# Altium PCB CM5_Adapter.PcbDoc (part 2 of 2)
Units mil, origin at the board's own origin, x right, y up, seen from the top; angles counter-clockwise.
Board outline 2540 x 1690 mil, 4 copper layers (Top Layer, Sig1, Sig2, Bottom Layer), stack 50.112 mil thick; 14 components, 249 nets, 1067 pads, 203 vias.
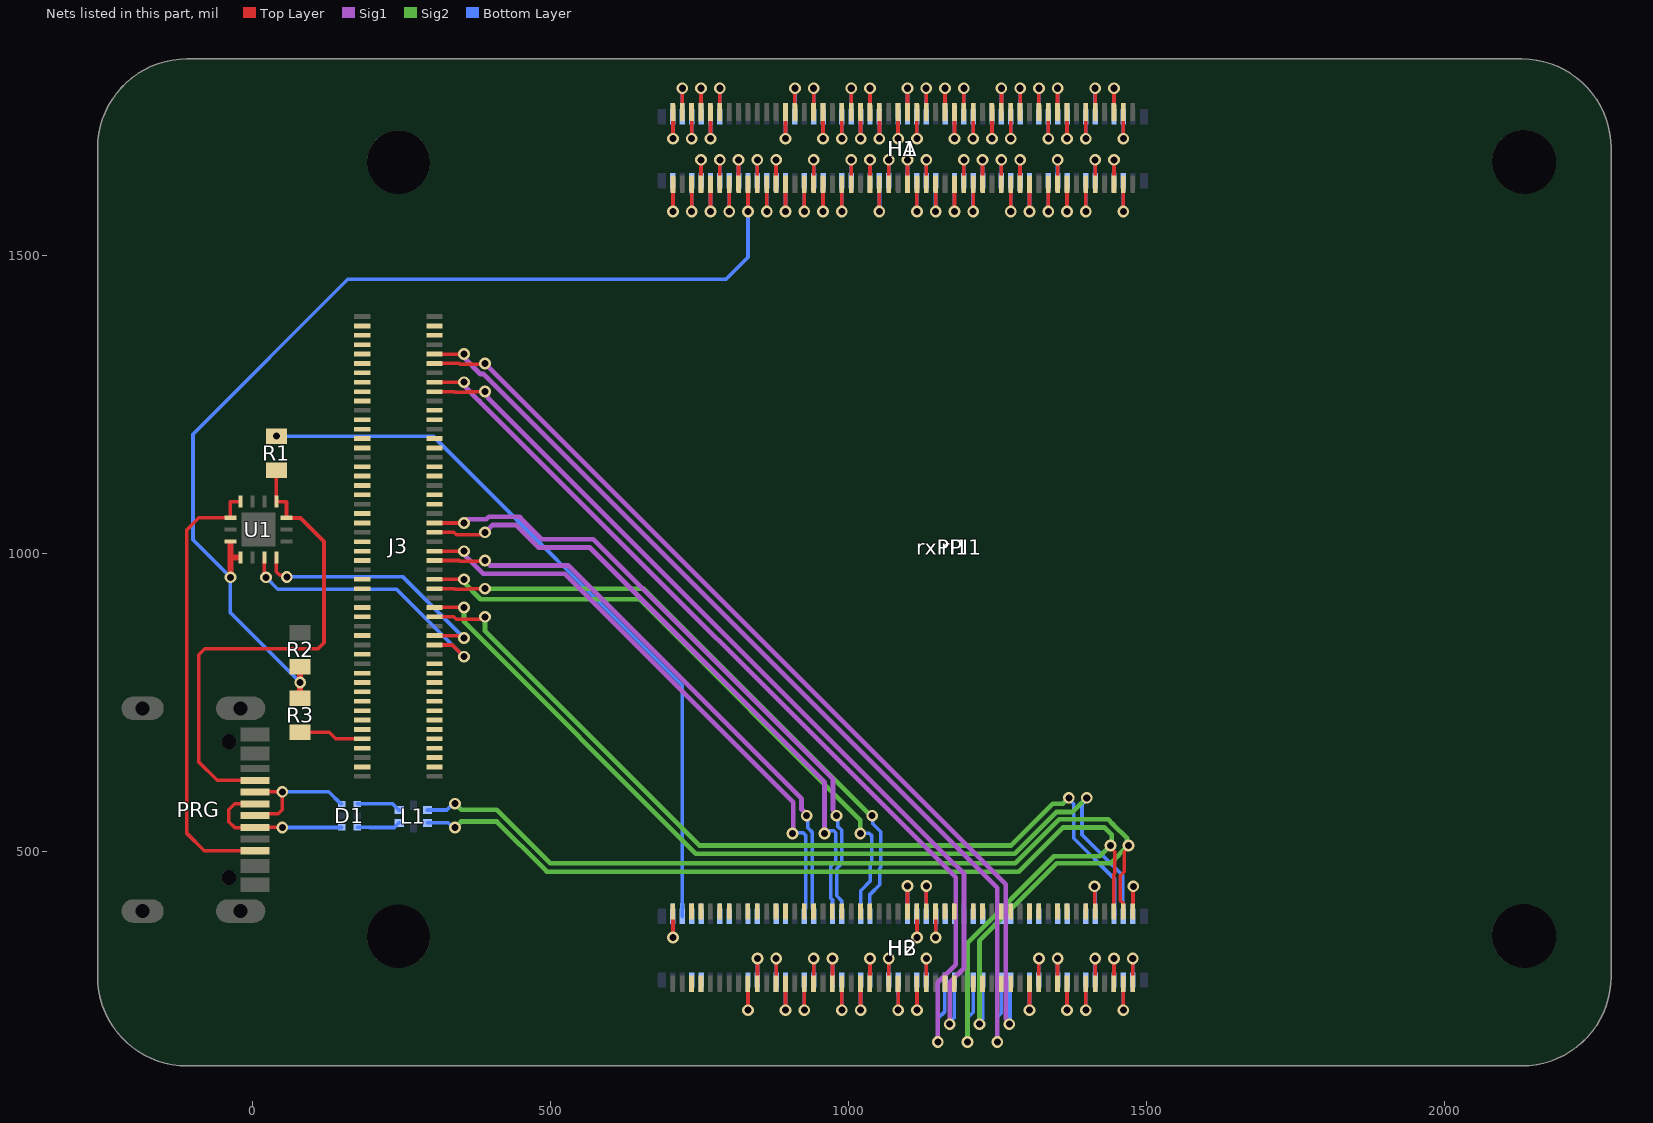
[diagram p4: the nets of this part, all layers, seen from the top]

## Via types
v1: diameter 19.68, hole 11.81, Top Layer to Bottom Layer, 203 vias

## Nets (pads, with @x,y where several pads share a name; then routed paths per layer and width w, separated by ;. In a path a pad name is that pad's centre, name@x,y a point inside that pad or via, vN(x,y) a via of type N, cw(c..) or ccw(c..) an arc to the next point about the centre after c; other vN are vias at no path point) (continued)
HDMI0_SDA: H2.99 HB.100 rPI1.199 rxPI1.199 | length 79
  Top Layer w6.3: H2.99@705.36,399.09 705.46,399 705.46,355.61 v1(705.55,355.51)
  Bottom Layer w6.3: v1(705.55,355.51) HB.100@705.55,390.88
HDMI0_TX0_N: H2.84 HB.83 rPI1.184 rxPI1.184 | length 95.2
  Top Layer w6.3: H2.84@831.35,277.83 831.44,277.74 831.44,233.56 v1(831.54,233.46)
  Bottom Layer w6.3: v1(831.54,233.46) HB.83@831.54,284.18
HDMI0_TX0_P: H2.82 HB.81 rPI1.182 rxPI1.182 | length 85.5
  Top Layer w6.3: H2.82@847.28,276.9 v1(847.28,320.08)
  Bottom Layer w6.3: rPI1.182@847.1,277.83 847.1,294.76 847.28,294.95 v1(847.28,320.08)
HDMI0_TX1_N: H2.78 HB.77 rPI1.178 rxPI1.178 | length 85.5
  Top Layer w6.3: H2.78@878.78,276.9 v1(878.78,320.08)
  Bottom Layer w6.3: rPI1.178@878.59,277.83 878.59,294.76 878.78,294.95 v1(878.78,320.08)
HDMI0_TX1_P: H2.76 HB.75 rPI1.176 rxPI1.176 | length 87.9
  Top Layer w6.3: v1(894.53,233.46) H2.76@894.53,276.9
  Bottom Layer w6.3: rPI1.176@894.34,277.83 894.34,260.9 894.53,260.72 v1(894.53,233.46)
HDMI0_TX2_N: H2.72 HB.71 rPI1.172 rxPI1.172 | length 87.9
  Top Layer w6.3: v1(926.02,233.46) H2.72@926.02,276.9
  Bottom Layer w6.3: rPI1.172@925.84,277.83 925.84,260.9 926.02,260.72 v1(926.02,233.46)
HDMI0_TX2_P: H2.70 HB.69 rPI1.170 rxPI1.170 | length 85.5
  Top Layer w6.3: H2.70@941.77,276.9 v1(941.77,320.08)
  Bottom Layer w6.3: rPI1.170@941.58,277.83 941.58,294.76 941.77,294.95 v1(941.77,320.08)
HDMI1_CEC: H2.49 HB.50 rPI1.149 rxPI1.149 | length 94.4
  Top Layer w6.3: H2.49@1099.06,399.09 1099.16,399.19 1099.16,442.03 v1(1099.25,442.13)
  Bottom Layer w6.3: HB.50@1099.25,390.88 v1(1099.25,442.13)
HDMI1_CLK_N: H2.66 HB.65 rPI1.166 rxPI1.166 | length 85.5
  Top Layer w6.3: H2.66@973.27,276.9 v1(973.27,320.08)
  Bottom Layer w6.3: rPI1.166@973.08,277.83 973.08,294.76 973.27,294.95 v1(973.27,320.08)
HDMI1_CLK_P: H2.64 HB.63 rPI1.164 rxPI1.164 | length 87.9
  Top Layer w6.3: v1(989.02,233.46) H2.64@989.02,276.9
  Bottom Layer w6.3: rPI1.164@988.83,277.83 988.83,260.9 989.02,260.72 v1(989.02,233.46)
HDMI1_HOTPLUG: H2.43 HB.44 rPI1.143 rxPI1.143 | length 79
  Top Layer w6.3: H2.43@1146.31,399.09 1146.4,399 1146.4,355.61 v1(1146.5,355.51)
  Bottom Layer w6.3: v1(1146.5,355.51) HB.44@1146.5,390.88
HDMI1_SCL: H2.47 HB.48 rPI1.147 rxPI1.147 | length 78
  Top Layer w6.3: v1(1115,355.51) H2.47@1115,398.16
  Bottom Layer w6.3: v1(1115,355.51) HB.48@1115,390.88
HDMI1_SDA: H2.45 HB.46 rPI1.145 rxPI1.145 | length 95.2
  Top Layer w6.3: H2.45@1130.75,398.16 v1(1130.75,442.13)
  Bottom Layer w6.3: HB.46@1130.75,390.88 v1(1130.75,442.13)
HDMI1_TX0_N: H2.60 HB.59 rPI1.160 rxPI1.160 | length 88.9
  Top Layer w6.3: H2.60@1020.32,277.83 1020.42,277.74 1020.42,233.56 v1(1020.51,233.46)
  Bottom Layer w6.3: rPI1.160@1020.32,277.83 1020.32,260.9 1020.51,260.72 v1(1020.51,233.46)
HDMI1_TX0_P: H2.58 HB.57 rPI1.158 rxPI1.158 | length 85.5
  Top Layer w6.3: H2.58@1036.26,276.9 v1(1036.26,320.08)
  Bottom Layer w6.3: rPI1.158@1036.07,277.83 1036.07,294.76 1036.26,294.95 v1(1036.26,320.08)
HDMI1_TX1_N: H2.54 HB.53 rPI1.154 rxPI1.154 | length 85.5
  Top Layer w6.3: H2.54@1067.76,276.9 v1(1067.76,320.08)
  Bottom Layer w6.3: rPI1.154@1067.57,277.83 1067.57,294.76 1067.76,294.95 v1(1067.76,320.08)
HDMI1_TX1_P: H2.52 HB.51 rPI1.152 rxPI1.152 | length 87.9
  Top Layer w6.3: v1(1083.5,233.46) H2.52@1083.5,276.9
  Bottom Layer w6.3: rPI1.152@1083.32,277.83 1083.32,260.9 1083.5,260.72 v1(1083.5,233.46)
HDMI1_TX2_N: H2.48 HB.47 rPI1.148 rxPI1.148 | length 94.2
  Top Layer w6.3: v1(1115,233.46) H2.48@1115,276.9
  Bottom Layer w6.3: v1(1115,233.46) HB.47@1115,284.18
HDMI1_TX2_P: H2.46 HB.45 rPI1.146 rxPI1.146 | length 79.1
  Top Layer w6.3: H2.46@1130.75,276.9 v1(1130.75,320.08)
  Bottom Layer w6.3: HB.45@1130.75,284.18 v1(1130.75,320.08)
I2C_SCL: J3.72 rxPI1.271 U1.6 | length 481
  Top Layer w6: U1.6@20,993 20,960 v1(22.5,960) ; J3.72@305.39,846.43 335.31,846.43 v1(355,826.74)
  Bottom Layer w6: v1(22.5,960) 42.5,940 241.74,940 v1(355,826.74)
I2C_SDA: J3.70 rxPI1.269 U1.7 | length 435.8
  Top Layer w6: U1.7@40,993 40,969.46 46.24,963.22 54.88,963.22 v1(57.5,960.6) ; J3.70@305.39,862.18 347.36,862.18 351.3,858.24 v1(355,858.24)
  Bottom Layer w6: v1(57.5,960.6) 252.64,960.6 v1(355,858.24)
NetD1_1: D1.1 L1.4 | length 74.7
  Bottom Layer w6: D1.1@176.05,579.68 197.76,579.68 197.92,579.84 235.08,579.84 245.39,569.53 L1.4@246.38,569.53
NetD1_3: D1.3 L1.3 | length 73.6
  Bottom Layer w6: D1.3@176.05,540.32 196.82,540.32 196.98,540.16 237.68,540.16 245.39,547.87 L1.3@246.38,547.87
NetH1_3: H1.3 HA.4 rPI1.3 rxPI1.3 | length 89.9
  Top Layer w6.3: v1(1461.46,1696.06) H1.3@1461.46,1739.81
  Bottom Layer w6.3: rPI1.3@1461.27,1742.17 1461.27,1696.25 v1(1461.46,1696.06)
NetH1_4: H1.4 HA.3 rPI1.4 rxPI1.4 | length 93.9
  Top Layer w6.3: rxPI1.4@1461.27,1620.91 1461.36,1620.81 1461.36,1574.11 v1(1461.46,1574.02)
  Bottom Layer w6.3: rPI1.4@1461.27,1620.91 1461.27,1574.2 v1(1461.46,1574.02)
NetH1_5: H1.5 HA.6 rPI1.5 rxPI1.5 | length 77.2
  Top Layer w6.3: rxPI1.5@1445.52,1742.17 1445.62,1742.26 1445.62,1780.62 v1(1445.71,1780.71)
  Bottom Layer w6.3: rPI1.5@1445.52,1742.17 1445.52,1780.52 v1(1445.71,1780.71)
NetH1_6: H1.6 HA.5 rPI1.6 rxPI1.6 | length 76.9
  Top Layer w6.3: H1.6@1445.71,1618.55 v1(1445.71,1660.63)
  Bottom Layer w6.3: HA.5@1445.71,1625.84 v1(1445.71,1660.63)
NetH1_9: H1.9 HA.10 rPI1.9 rxPI1.9 | length 77.2
  Top Layer w6.3: rxPI1.9@1414.03,1742.17 1414.12,1742.26 1414.12,1780.62 v1(1414.21,1780.71)
  Bottom Layer w6.3: rPI1.9@1414.03,1742.17 1414.03,1780.52 v1(1414.21,1780.71)
NetH1_10: H1.10 HA.9 rPI1.10 rxPI1.10 | length 76.9
  Top Layer w6.3: H1.10@1414.21,1618.55 v1(1414.21,1660.63)
  Bottom Layer w6.3: HA.9@1414.21,1625.84 v1(1414.21,1660.63)
NetH1_11: H1.11 HA.12 rPI1.11 rxPI1.11 | length 92.4
  Top Layer w6.3: rxPI1.11@1398.28,1742.17 1398.37,1742.07 1398.37,1696.16 v1(1398.46,1696.06)
  Bottom Layer w6.3: rPI1.11@1398.28,1742.17 1398.28,1696.25 v1(1398.46,1696.06)
NetH1_12: H1.12 HA.11 rPI1.12 rxPI1.12 | length 96.4
  Top Layer w6.3: v1(1398.46,1574.02) H1.12@1398.46,1618.55
  Bottom Layer w6.3: v1(1398.46,1574.02) HA.11@1398.46,1625.84
NetH1_15: H1.15 HA.16 rPI1.15 rxPI1.15 | length 80.2
  Top Layer w6.3: v1(1366.97,1696.06) H1.15@1366.97,1739.81
  Bottom Layer w6.3: v1(1366.97,1696.06) HA.16@1366.97,1732.53
NetH1_16: H1.16 HA.15 rPI1.16 rxPI1.16 | length 93.9
  Top Layer w6.3: rxPI1.16@1366.78,1620.91 1366.88,1620.81 1366.88,1574.11 v1(1366.97,1574.02)
  Bottom Layer w6.3: rPI1.16@1366.78,1620.91 1366.78,1574.2 v1(1366.97,1574.02)
NetH1_17: H1.17 HA.18 rPI1.17 rxPI1.17 | length 86.8
  Top Layer w6.3: rxPI1.17@1351.03,1742.17 1351.13,1742.26 1351.13,1780.62 v1(1351.22,1780.71)
  Bottom Layer w6.3: HA.18@1351.22,1732.53 v1(1351.22,1780.71)
NetH1_18: H1.18 HA.17 rPI1.18 rxPI1.18 | length 81.9
  Top Layer w6.3: H1.18@1351.22,1618.55 v1(1351.22,1660.63)
  Bottom Layer w6.3: rPI1.18@1351.03,1620.91 1351.03,1660.44 v1(1351.22,1660.63)
NetH1_19: H1.19 HA.20 rPI1.19 rxPI1.19 | length 89.9
  Top Layer w6.3: v1(1335.47,1696.06) H1.19@1335.47,1739.81
  Bottom Layer w6.3: rPI1.19@1335.29,1742.17 1335.29,1696.25 v1(1335.47,1696.06)
NetH1_20: H1.20 HA.19 rPI1.20 rxPI1.20 | length 91.5
  Top Layer w6.3: v1(1335.47,1574.02) H1.20@1335.47,1618.55
  Bottom Layer w6.3: rPI1.20@1335.29,1620.91 1335.29,1574.2 v1(1335.47,1574.02)
NetH1_21: H1.21 HA.22 rPI1.21 rxPI1.21 | length 77.2
  Top Layer w6.3: rxPI1.21@1319.54,1742.17 1319.63,1742.26 1319.63,1780.62 v1(1319.72,1780.71)
  Bottom Layer w6.3: rPI1.21@1319.54,1742.17 1319.54,1780.52 v1(1319.72,1780.71)
NetH1_24: H1.24 HA.23 rPI1.24 rxPI1.24 | length 91.5
  Top Layer w6.3: v1(1303.98,1574.02) H1.24@1303.98,1618.55
  Bottom Layer w6.3: rPI1.24@1303.79,1620.91 1303.79,1574.2 v1(1303.98,1574.02)
NetH1_25: H1.25 HA.26 rPI1.25 rxPI1.25 | length 76.7
  Top Layer w6.3: H1.25@1288.23,1742.35 v1(1288.23,1780.71)
  Bottom Layer w6.3: rPI1.25@1288.04,1742.17 1288.04,1759.1 ; 1288.23,1759.28 v1(1288.23,1780.71)
NetH1_26: H1.26 HA.25 rPI1.26 rxPI1.26 | length 79.6
  Top Layer w6.3: rxPI1.26@1288.04,1620.91 1288.13,1621 1288.13,1660.54 v1(1288.23,1660.63)
  Bottom Layer w6.3: rPI1.26@1288.04,1620.91 1288.04,1660.44 v1(1288.23,1660.63)
NetH1_27: H1.27 HA.28 rPI1.27 rxPI1.27 | length 92.4
  Top Layer w6.3: rxPI1.27@1272.29,1742.17 1272.39,1742.07 1272.39,1696.16 v1(1272.48,1696.06)
  Bottom Layer w6.3: rPI1.27@1272.29,1742.17 1272.29,1696.25 v1(1272.48,1696.06)
NetH1_28: H1.28 HA.27 rPI1.28 rxPI1.28 | length 91.5
  Top Layer w6.3: v1(1272.48,1574.02) H1.28@1272.48,1618.55
  Bottom Layer w6.3: rPI1.28@1272.29,1620.91 1272.29,1574.2 v1(1272.48,1574.02)
NetH1_29: H1.29 HA.30 rPI1.29 rxPI1.29 | length 76.7
  Top Layer w6.3: H1.29@1256.73,1742.35 v1(1256.73,1780.71)
  Bottom Layer w6.3: rPI1.29@1256.54,1742.17 1256.55,1759.1 ; 1256.73,1759.28 v1(1256.73,1780.71)
NetH1_30: H1.30 HA.29 rPI1.30 rxPI1.30 | length 79.6
  Top Layer w6.3: rxPI1.30@1256.55,1620.91 1256.64,1621 1256.64,1660.54 v1(1256.73,1660.63)
  Bottom Layer w6.3: rPI1.30@1256.54,1620.91 1256.55,1660.44 v1(1256.73,1660.63)
NetH1_31: H1.31 HA.32 rPI1.31 rxPI1.31 | length 92.4
  Top Layer w6.3: rxPI1.31@1240.8,1742.17 1240.89,1742.07 1240.89,1696.16 v1(1240.98,1696.06)
  Bottom Layer w6.3: rPI1.31@1240.8,1742.17 1240.8,1696.25 v1(1240.98,1696.06)
NetH1_34: H1.34 HA.33 rPI1.34 rxPI1.34 | length 81.9
  Top Layer w6.3: H1.34@1225.24,1618.55 v1(1225.24,1660.63)
  Bottom Layer w6.3: rPI1.34@1225.05,1620.91 1225.05,1660.44 v1(1225.24,1660.63)
NetH1_35: H1.35 HA.36 rPI1.35 rxPI1.35 | length 82.6
  Top Layer w6.3: rxPI1.35@1209.3,1742.17 1209.39,1742.07 1209.39,1696.16 v1(1209.49,1696.06)
  Bottom Layer w6.3: v1(1209.49,1696.06) HA.36@1209.49,1732.53
NetH1_36: H1.36 HA.35 rPI1.36 rxPI1.36 | length 93.9
  Top Layer w6.3: rxPI1.36@1209.3,1620.91 1209.39,1620.81 1209.39,1574.11 v1(1209.49,1574.02)
  Bottom Layer w6.3: rPI1.36@1209.3,1620.91 1209.3,1574.2 v1(1209.49,1574.02)
NetH1_37: H1.37 HA.38 rPI1.37 rxPI1.37 | length 86.8
  Top Layer w6.3: rxPI1.37@1193.55,1742.17 1193.65,1742.26 1193.65,1780.62 v1(1193.74,1780.71)
  Bottom Layer w6.3: HA.38@1193.74,1732.53 v1(1193.74,1780.71)
NetH1_38: H1.38 HA.37 rPI1.38 rxPI1.38 | length 79.6
  Top Layer w6.3: rxPI1.38@1193.55,1620.91 1193.65,1621 1193.65,1660.54 v1(1193.74,1660.63)
  Bottom Layer w6.3: rPI1.38@1193.55,1620.91 1193.55,1660.44 v1(1193.74,1660.63)
NetH1_39: H1.39 HA.40 rPI1.39 rxPI1.39 | length 92.4
  Top Layer w6.3: rxPI1.39@1177.81,1742.17 1177.9,1742.07 1177.9,1696.16 v1(1177.99,1696.06)
  Bottom Layer w6.3: rPI1.39@1177.8,1742.17 1177.81,1696.25 v1(1177.99,1696.06)
NetH1_40: H1.40 HA.39 rPI1.40 rxPI1.40 | length 91.5
  Top Layer w6.3: v1(1177.99,1574.02) H1.40@1177.99,1618.55
  Bottom Layer w6.3: rPI1.40@1177.8,1620.91 1177.81,1574.2 v1(1177.99,1574.02)
NetH1_41: H1.41 HA.42 rPI1.41 rxPI1.41 | length 89.1
  Top Layer w6.3: H1.41@1162.24,1739.81 v1(1162.24,1780.71)
  Bottom Layer w6.3: HA.42@1162.24,1732.53 v1(1162.24,1780.71)
NetH1_44: H1.44 HA.43 rPI1.44 rxPI1.44 | length 93.9
  Top Layer w6.3: rxPI1.44@1146.31,1620.91 1146.4,1620.81 1146.4,1574.11 v1(1146.5,1574.02)
  Bottom Layer w6.3: rPI1.44@1146.31,1620.91 1146.31,1574.2 v1(1146.5,1574.02)
NetH1_45: H1.45 HA.46 rPI1.45 rxPI1.45 | length 76.7
  Top Layer w6.3: H1.45@1130.56,1742.35 v1(1130.56,1780.71)
  Bottom Layer w6.3: rPI1.45@1130.37,1742.17 1130.37,1759.1 ; 1130.56,1759.28 v1(1130.56,1780.71)
NetH1_46: H1.46 HA.45 rPI1.46 rxPI1.46 | length 81.9
  Top Layer w6.3: H1.46@1130.75,1618.55 v1(1130.75,1660.63)
  Bottom Layer w6.3: rPI1.46@1130.56,1620.91 1130.56,1660.44 v1(1130.75,1660.63)
NetH1_47: H1.47 HA.48 rPI1.47 rxPI1.47 | length 82.7
  Top Layer w6.3: rxPI1.47@1114.81,1742.17 1114.91,1742.07 1114.91,1696.16 v1(1115,1696.06)
  Bottom Layer w6.3: rPI1.47@1114.81,1732.53 1114.81,1696.25 v1(1115,1696.06)
NetH1_48: H1.48 HA.47 rPI1.48 rxPI1.48 | length 93.9
  Top Layer w6.3: rxPI1.48@1114.81,1620.91 1114.91,1620.81 1114.91,1574.11 v1(1115,1574.02)
  Bottom Layer w6.3: rPI1.48@1114.81,1620.91 1114.81,1574.2 v1(1115,1574.02)
NetH1_49: H1.49 HA.50 rPI1.49 rxPI1.49 | length 76.7
  Top Layer w6.3: H1.49@1099.25,1742.35 v1(1099.25,1780.71)
  Bottom Layer w6.3: rPI1.49@1099.06,1742.17 1099.06,1759.1 ; 1099.25,1759.28 v1(1099.25,1780.71)
NetH1_50: H1.50 HA.49 rPI1.50 rxPI1.50 | length 79.6
  Top Layer w6.3: rxPI1.50@1099.06,1620.91 1099.16,1621 1099.16,1660.54 v1(1099.25,1660.63)
  Bottom Layer w6.3: rPI1.50@1099.06,1620.91 1099.06,1637.84 1099.25,1638.02 v1(1099.25,1660.63)
NetH1_51: H1.51 HA.52 rPI1.51 rxPI1.51 | length 92.4
  Top Layer w6.3: rxPI1.51@1083.32,1742.17 1083.41,1742.07 1083.41,1696.16 v1(1083.5,1696.06)
  Bottom Layer w6.3: rPI1.51@1083.32,1742.17 1083.32,1725.24 1083.5,1725.05 v1(1083.5,1696.06)
NetH1_54: H1.54 HA.53 rPI1.54 rxPI1.54 | length 79.6
  Top Layer w6.3: rxPI1.54@1067.57,1620.91 1067.66,1621 1067.66,1660.54 v1(1067.76,1660.63)
  Bottom Layer w6.3: rPI1.54@1067.57,1620.91 1067.57,1637.84 1067.76,1638.02 v1(1067.76,1660.63)
NetH1_55: H1.55 HA.56 rPI1.55 rxPI1.55 | length 80.2
  Top Layer w6.3: v1(1052.01,1696.06) H1.55@1052.01,1739.81
  Bottom Layer w6.3: v1(1052.01,1696.06) HA.56@1052.01,1732.53
NetH1_56: H1.56 HA.55 rPI1.56 rxPI1.56 | length 93.9
  Top Layer w6.3: rxPI1.56@1051.82,1620.91 1051.91,1620.81 1051.91,1574.11 v1(1052.01,1574.02)
  Bottom Layer w6.3: rPI1.56@1051.82,1620.91 1051.82,1603.98 1052.01,1603.79 v1(1052.01,1574.02)
NetH1_57: H1.57 HA.58 rPI1.57 rxPI1.57 | length 89.1
  Top Layer w6.3: H1.57@1036.26,1739.81 v1(1036.26,1780.71)
  Bottom Layer w6.3: HA.58@1036.26,1732.53 v1(1036.26,1780.71)
NetH1_58: H1.58 HA.57 rPI1.58 rxPI1.58 | length 79.6
  Top Layer w6.3: rxPI1.58@1036.07,1620.91 1036.17,1621 1036.17,1660.54 v1(1036.26,1660.63)
  Bottom Layer w6.3: rPI1.58@1036.07,1620.91 1036.07,1637.84 1036.26,1638.02 v1(1036.26,1660.63)
NetH1_59: H1.59 HA.60 rPI1.59 rxPI1.59 | length 82.6
  Top Layer w6.3: rxPI1.59@1020.32,1742.17 1020.42,1742.07 1020.42,1696.16 v1(1020.51,1696.06)
  Bottom Layer w6.3: v1(1020.51,1696.06) HA.60@1020.51,1732.53
NetH1_61: H1.61 HA.62 rPI1.61 rxPI1.61 | length 89.1
  Top Layer w6.3: H1.61@1004.76,1739.81 v1(1004.76,1780.71)
  Bottom Layer w6.3: HA.62@1004.76,1732.53 v1(1004.76,1780.71)
NetH1_62: H1.62 HA.61 rPI1.62 rxPI1.62 | length 81.9
  Top Layer w6.3: H1.62@1004.76,1618.55 v1(1004.76,1660.63)
  Bottom Layer w6.3: rPI1.62@1004.58,1620.91 1004.58,1637.84 1004.76,1638.02 v1(1004.76,1660.63)
NetH1_63: H1.63 HA.64 rPI1.63 rxPI1.63 | length 82.6
  Top Layer w6.3: rxPI1.63@988.83,1742.17 988.92,1742.07 988.92,1696.16 v1(989.02,1696.06)
  Bottom Layer w6.3: v1(989.02,1696.06) HA.64@989.02,1732.53
NetH1_64: H1.64 HA.63 rPI1.64 rxPI1.64 | length 91.5
  Top Layer w6.3: v1(989.02,1574.02) H1.64@989.02,1618.55
  Bottom Layer w6.3: rPI1.64@988.83,1620.91 988.83,1603.98 989.02,1603.79 v1(989.02,1574.02)
NetH1_67: H1.67 HA.68 rPI1.67 rxPI1.67 | length 82.6
  Top Layer w6.3: rxPI1.67@957.33,1742.17 957.43,1742.07 957.43,1696.16 v1(957.52,1696.06)
  Bottom Layer w6.3: v1(957.52,1696.06) HA.68@957.52,1732.53
NetH1_68: H1.68 HA.67 rPI1.68 rxPI1.68 | length 98.8
  Top Layer w6.3: rxPI1.68@957.33,1620.91 957.43,1620.81 957.43,1574.11 v1(957.52,1574.02)
  Bottom Layer w6.3: v1(957.52,1574.02) HA.67@957.52,1625.84
NetH1_69: H1.69 HA.70 rPI1.69 rxPI1.69 | length 89.1
  Top Layer w6.3: H1.69@941.77,1739.81 v1(941.77,1780.71)
  Bottom Layer w6.3: HA.70@941.77,1732.53 v1(941.77,1780.71)
NetH1_70: H1.70 HA.69 rPI1.70 rxPI1.70 | length 76.9
  Top Layer w6.3: H1.70@941.77,1618.55 v1(941.77,1660.63)
  Bottom Layer w6.3: HA.69@941.77,1625.84 v1(941.77,1660.63)
NetH1_72: H1.72 HA.71 rPI1.72 rxPI1.72 | length 91.5
  Top Layer w6.3: v1(926.02,1574.02) H1.72@926.02,1618.55
  Bottom Layer w6.3: rPI1.72@925.84,1620.91 925.84,1603.98 926.02,1603.79 v1(926.02,1574.02)
NetH1_73: H1.73 HA.74 rPI1.73 rxPI1.73 | length 77.2
  Top Layer w6.3: rxPI1.73@910.09,1742.17 910.18,1742.26 910.18,1780.62 v1(910.28,1780.71)
  Bottom Layer w6.3: rPI1.73@910.09,1742.17 910.09,1759.1 910.28,1759.28 v1(910.28,1780.71)
NetH1_75: H1.75 HA.76 rPI1.75 rxPI1.75 | length 92.4
  Top Layer w6.3: rxPI1.75@894.34,1742.17 894.43,1742.07 894.43,1696.16 v1(894.53,1696.06)
  Bottom Layer w6.3: rPI1.75@894.34,1742.17 894.34,1725.24 894.53,1725.05 v1(894.53,1696.06)
NetH1_76: H1.76 HA.75 rPI1.76 rxPI1.76 | length 98.8
  Top Layer w6.3: rxPI1.76@894.34,1620.91 894.43,1620.81 894.43,1574.11 v1(894.53,1574.02)
  Bottom Layer w6.3: v1(894.53,1574.02) HA.75@894.53,1625.84
NetH1_78: H1.78 HA.77 rPI1.78 rxPI1.78 | length 79.6
  Top Layer w6.3: rxPI1.78@878.59,1620.91 878.69,1621 878.69,1660.54 v1(878.78,1660.63)
  Bottom Layer w6.3: rPI1.78@878.59,1620.91 878.59,1637.84 878.78,1638.02 v1(878.78,1660.63)
NetH1_80: H1.80 HA.79 rPI1.80 rxPI1.80 | length 96.4
  Top Layer w6.3: v1(863.03,1574.02) H1.80@863.03,1618.55
  Bottom Layer w6.3: v1(863.03,1574.02) HA.79@863.03,1625.84
NetH1_82: H1.82 HA.81 rPI1.82 rxPI1.82 | length 81.9
  Top Layer w6.3: v1(847.1,1660.63) 847.19,1660.54 847.19,1618.65 H1.82@847.28,1618.55
  Bottom Layer w6.3: rPI1.82@847.1,1620.91 v1(847.1,1660.63)
NetH1_86: H1.86 HA.85 rPI1.86 rxPI1.86 | length 79.4
  Top Layer w6.3: rxPI1.86@815.6,1620.91 v1(815.6,1660.63)
  Bottom Layer w6.3: rPI1.86@815.6,1620.91 v1(815.6,1660.63)
NetH1_88: H1.88 HA.87 rPI1.88 rxPI1.88 | length 91.5
  Top Layer w6.3: v1(800.04,1574.02) H1.88@800.04,1618.55
  Bottom Layer w6.3: rPI1.88@799.85,1620.91 799.85,1603.98 800.04,1603.79 v1(800.04,1574.02)
NetH1_89: H1.89 HA.90 rPI1.89 rxPI1.89 | length 77.2
  Top Layer w6.3: rxPI1.89@784.1,1742.17 784.2,1742.26 784.2,1780.62 v1(784.29,1780.71)
  Bottom Layer w6.3: rPI1.89@784.1,1742.17 784.1,1759.1 784.29,1759.28 v1(784.29,1780.71)
NetH1_90: H1.90 HA.89 rPI1.90 rxPI1.90 | length 79.6
  Top Layer w6.3: rxPI1.90@784.1,1620.91 784.2,1621 784.2,1660.54 v1(784.29,1660.63)
  Bottom Layer w6.3: rPI1.90@784.1,1620.91 784.1,1637.84 784.29,1638.02 v1(784.29,1660.63)
NetH1_91: H1.91 HA.92 rPI1.91 rxPI1.91 | length 89.9
  Top Layer w6.3: v1(768.54,1696.06) H1.91@768.54,1739.81
  Bottom Layer w6.3: rPI1.91@768.36,1742.17 768.36,1725.24 768.54,1725.05 v1(768.54,1696.06)
NetH1_92: H1.92 HA.91 rPI1.92 rxPI1.92 | length 93.9
  Top Layer w6.3: rxPI1.92@768.36,1620.91 768.45,1620.81 768.45,1574.11 v1(768.54,1574.02)
  Bottom Layer w6.3: rPI1.92@768.36,1620.91 768.36,1603.98 768.54,1603.79 v1(768.54,1574.02)
NetH1_93: H1.93 HA.94 rPI1.93 rxPI1.93 | length 77.2
  Top Layer w6.3: rxPI1.93@752.61,1742.17 752.7,1742.26 752.7,1780.62 v1(752.8,1780.71)
  Bottom Layer w6.3: rPI1.93@752.61,1742.17 752.61,1759.1 752.8,1759.28 v1(752.8,1780.71)
NetH1_94: H1.94 HA.93 rPI1.94 rxPI1.94 | length 79.4
  Top Layer w6.3: rxPI1.94@752.61,1620.91 v1(752.61,1660.63)
  Bottom Layer w6.3: rPI1.94@752.61,1620.91 v1(752.61,1660.63)
NetH1_95: H1.95 HA.96 rPI1.95 rxPI1.95 | length 92.4
  Top Layer w6.3: rxPI1.95@736.86,1742.17 736.95,1742.07 736.95,1696.16 v1(737.05,1696.06)
  Bottom Layer w6.3: rPI1.95@736.86,1742.17 736.86,1725.24 737.05,1725.05 v1(737.05,1696.06)
NetH1_96: H1.96 HA.95 rPI1.96 rxPI1.96 | length 93.9
  Top Layer w6.3: rxPI1.96@736.86,1620.91 736.95,1620.81 736.95,1574.11 v1(737.05,1574.02)
  Bottom Layer w6.3: rPI1.96@736.86,1620.91 736.86,1603.98 737.05,1603.79 v1(737.05,1574.02)
NetH1_97: H1.97 HA.98 rPI1.97 rxPI1.97 | length 76.7
  Top Layer w6.3: H1.97@721.3,1742.35 v1(721.3,1780.71)
  Bottom Layer w6.3: rPI1.97@721.11,1742.17 721.11,1759.1 ; 721.3,1759.28 v1(721.3,1780.71)
NetH1_99: H1.99 HA.100 rPI1.99 rxPI1.99 | length 92.4
  Top Layer w6.3: rxPI1.99@705.36,1742.17 705.46,1742.07 705.46,1696.16 v1(705.55,1696.06)
  Bottom Layer w6.3: rPI1.99@705.36,1742.17 705.36,1725.24 705.55,1725.05 v1(705.55,1696.06)
NetH1_100: H1.100 HA.99 rPI1.100 rxPI1.100 | length 93.9
  Top Layer w6.3: rxPI1.100@705.36,1620.91 705.46,1620.81 705.46,1574.11 v1(705.55,1574.02)
  Bottom Layer w6.3: rPI1.100@705.36,1620.91 705.36,1603.98 705.55,1603.79 v1(705.55,1574.02)
NetH2_11: H2.11 rxPI1.111
NetH2_15: H2.15 rxPI1.115
NetH2_17: H2.17 rxPI1.117
NetH2_21: H2.21 rxPI1.121
NetH2_23: H2.23 rxPI1.123
NetH2_27: H2.27 rxPI1.127
NetH2_28: H2.28 rxPI1.128
NetH2_29: H2.29 rxPI1.129
NetH2_30: H2.30 rxPI1.130
NetH2_33: H2.33 rxPI1.133
NetH2_34: H2.34 rxPI1.134
NetH2_35: H2.35 rxPI1.135
NetH2_36: H2.36 rxPI1.136
NetH2_39: H2.39 rxPI1.139
NetH2_40: H2.40 rxPI1.140
NetH2_41: H2.41 rxPI1.141
NetH2_42: H2.42 rxPI1.142
NetH2_57: H2.57 rxPI1.157
NetH2_59: H2.59 rxPI1.159
NetH2_63: H2.63 rxPI1.163
NetH2_65: H2.65 rxPI1.165
NetH2_69: H2.69 rxPI1.169
NetH2_71: H2.71 rxPI1.171
NetH2_75: H2.75 rxPI1.175
NetH2_77: H2.77 rxPI1.177
NetH2_81: H2.81 rxPI1.181
NetH2_83: H2.83 rxPI1.183
NetH2_87: H2.87 rxPI1.187
NetH2_89: H2.89 rxPI1.189
NetH2_93: H2.93 rxPI1.193
NetH2_94: H2.94 rxPI1.194
NetH2_95: H2.95 rxPI1.195
NetH2_96: H2.96 rxPI1.196
NetHB_12: HB.12 rPI1.111
NetHB_16: HB.16 rPI1.115
NetHB_18: HB.18 rPI1.117
NetHB_22: HB.22 rPI1.121
NetHB_24: HB.24 rPI1.123
NetHB_28: HB.28 rPI1.127
NetHB_30: HB.30 rPI1.129
NetHB_34: HB.34 rPI1.133
NetHB_36: HB.36 rPI1.135
NetHB_40: HB.40 rPI1.139
NetHB_42: HB.42 rPI1.141
NetHB_76: HB.76 rPI1.175
NetHB_78: HB.78 rPI1.177
NetHB_82: HB.82 rPI1.181
NetHB_84: HB.84 rPI1.183
NetHB_88: HB.88 rPI1.187
NetHB_90: HB.90 rPI1.189
NetHB_93: HB.93 rPI1.194
NetHB_94: HB.94 rPI1.193
NetHB_95: HB.95 rPI1.196
NetHB_96: HB.96 rPI1.195
NetJ3_3: J3.3 rxPI1.204
NetJ3_4: J3.4 rxPI1.203
NetJ3_5: J3.5 rxPI1.206
NetJ3_6: J3.6 rxPI1.205
NetJ3_7: J3.7 rxPI1.208
NetJ3_9: J3.9 rxPI1.210
NetJ3_11: J3.11 rxPI1.212
NetJ3_13: J3.13 rxPI1.214
NetJ3_15: J3.15 rxPI1.216
NetJ3_17: J3.17 rxPI1.218
NetJ3_19: J3.19 rxPI1.220
NetJ3_22: J3.22 rxPI1.221
NetJ3_23: J3.23 rxPI1.224
NetJ3_24: J3.24 rxPI1.223
NetJ3_25: J3.25 rxPI1.226
NetJ3_27: J3.27 rxPI1.228
NetJ3_28: J3.28 rxPI1.227
NetJ3_29: J3.29 rxPI1.230
NetJ3_30: J3.30 rxPI1.229
NetJ3_33: J3.33 rxPI1.234
NetJ3_34: J3.34 rxPI1.233
NetJ3_35: J3.35 rxPI1.236
NetJ3_36: J3.36 rxPI1.235
NetJ3_37: J3.37 rxPI1.238
NetJ3_39: J3.39 rxPI1.240
NetJ3_40: J3.40 rxPI1.239
NetJ3_42: J3.42 rxPI1.241
NetJ3_43: J3.43 rxPI1.244
NetJ3_45: J3.45 rxPI1.246
NetJ3_49: J3.49 rxPI1.250
NetJ3_51: J3.51 rxPI1.252
NetJ3_53: J3.53 rxPI1.254
NetJ3_57: J3.57 rxPI1.258
NetJ3_59: J3.59 rxPI1.260
NetJ3_63: J3.63 rxPI1.264
NetJ3_65: J3.65 rxPI1.266
NetJ3_69: J3.69 rxPI1.270
NetJ3_73: J3.73 rxPI1.274
NetJ3_76: J3.76 rxPI1.275
NetJ3_77: J3.77 rxPI1.278
NetJ3_78: J3.78 rxPI1.277
NetJ3_79: J3.79 rxPI1.280
NetJ3_80: J3.80 rxPI1.279
NetJ3_81: J3.81 rxPI1.282
NetJ3_82: J3.82 rxPI1.281
NetJ3_83: J3.83 rxPI1.284
NetJ3_84: J3.84 rxPI1.283
NetJ3_85: J3.85 rxPI1.286
NetJ3_86: J3.86 rxPI1.285
NetJ3_87: J3.87 rxPI1.288
NetJ3_88: J3.88 rxPI1.287
NetJ3_89: J3.89 rxPI1.290
NetJ3_90: J3.90 rxPI1.289
NetJ3_91: J3.91 R3.2 rxPI1.292 | length 108.7
  Top Layer w6: R3.2@80,700 128.87,700 139.92,688.95 J3.91@184.13,688.95
NetJ3_92: J3.92 rxPI1.291
NetJ3_93: J3.93 rxPI1.294
NetJ3_94: J3.94 rxPI1.293
NetJ3_96: J3.96 rxPI1.295
NetJ3_97: J3.97 rxPI1.298
NetJ3_98: J3.98 rxPI1.297
PCIe_CLK_N: H2.12 HB.11 rPI1.112 rxPI1.112 | length 88.9
  Top Layer w6.3: H2.12@1398.28,277.83 1398.37,277.74 1398.37,233.56 v1(1398.46,233.46)
  Bottom Layer w6.3: rPI1.112@1398.28,277.83 1398.28,233.65 v1(1398.46,233.46)
PCIe_CLK_nREQ: H2.2 HB.1 rPI1.102 rxPI1.102 | length 84.6
  Top Layer w6.3: H2.2@1477.02,277.83 1477.11,277.93 1477.11,319.99 v1(1477.2,320.08)
  Bottom Layer w6.3: rPI1.102@1477.02,277.83 1477.02,319.89 v1(1477.2,320.08)
PCIe_CLK_P: H2.10 HB.9 rPI1.110 rxPI1.110 | length 84.6
  Top Layer w6.3: H2.10@1414.03,277.83 1414.12,277.93 1414.12,319.99 v1(1414.21,320.08)
  Bottom Layer w6.3: rPI1.110@1414.03,277.83 1414.03,319.89 v1(1414.21,320.08)
PCIe_nRST: H2.9 HB.10 rPI1.109 rxPI1.109 | length 85.2
  Top Layer w6.3: v1(1413.16,441.34) 1413.59,440.91 1413.59,399.71 H2.9@1414.12,399.19
  Bottom Layer w6.3: v1(1413.16,441.34) 1413.69,440.82 1413.69,399.43 rPI1.109@1414.03,399.09
PCIe_RX_N: H2.18 HB.17 rPI1.118 rxPI1.118 | length 84.6
  Top Layer w6.3: H2.18@1351.03,277.83 1351.13,277.93 1351.13,319.99 v1(1351.22,320.08)
  Bottom Layer w6.3: rPI1.118@1351.03,277.83 1351.03,319.89 v1(1351.22,320.08)
PCIe_RX_P: H2.16 HB.15 rPI1.116 rxPI1.116 | length 88.9
  Top Layer w6.3: H2.16@1366.78,277.83 1366.88,277.74 1366.88,233.56 v1(1366.97,233.46)
  Bottom Layer w6.3: rPI1.116@1366.78,277.83 1366.78,233.65 v1(1366.97,233.46)
PCIe_TX_N: H2.24 HB.23 rPI1.124 rxPI1.124 | length 88.9
  Top Layer w6.3: H2.24@1303.79,277.83 1303.88,277.74 1303.88,233.56 v1(1303.98,233.46)
  Bottom Layer w6.3: rPI1.124@1303.79,277.83 1303.79,233.65 v1(1303.98,233.46)
PCIe_TX_P: H2.22 HB.21 rPI1.122 rxPI1.122 | length 84.6
  Top Layer w6.3: H2.22@1319.54,277.83 1319.63,277.93 1319.63,319.99 v1(1319.72,320.08)
  Bottom Layer w6.3: rPI1.122@1319.54,277.83 1319.54,319.89 v1(1319.72,320.08)
PRG_CC1: PRG.A5 R1.1 U1.10 U1.11 | length 852.1
  Top Layer w6: PRG.A5@4.49,619.21 -59.21,619.21 -90,650 -90,830 -80,840 110,840 120,850 120,940 120,1020 80.5,1059.5 57.5,1059.5 U1.10@57,1060 57,1087 U1.11@40,1087 R1.1@40,1140
PRG_CC2: PRG.B5 U1.1 U1.14 | length 761.7
  Top Layer w6: U1.14@-20,1087 -37,1087 U1.1@-37,1060 -90,1060 -110,1040 -110,530 -81.1,501.1 PRG.B5@4.49,501.1
RD_CC1: HB.98 R1.2 rPI1.197 | length 1242.4
  Bottom Layer w6: v1(40,1197) 303,1197 721.3,778.7 721.3,442.13
  Bottom Layer w6.3: HB.98@721.3,390.88 721.3,442.13
Res104: H2.4 HB.3 rPI1.104 rxPI1.104 | length 88.9
  Top Layer w6.3: H2.4@1461.27,277.83 1461.36,277.74 1461.36,233.56 v1(1461.46,233.46)
  Bottom Layer w6.3: rPI1.104@1461.27,277.83 1461.27,233.65 v1(1461.46,233.46)
Res106: H2.6 HB.5 rPI1.106 rxPI1.106 | length 84.6
  Top Layer w6.3: H2.6@1445.52,277.83 1445.62,277.93 1445.62,319.99 v1(1445.71,320.08)
  Bottom Layer w6.3: rPI1.106@1445.52,277.83 1445.52,319.89 v1(1445.71,320.08)
USB2_N: HB.4 J3.64 rPI1.103 rxPI1.263 | length 1550.1
  Top Layer w6: J3.64@305.39,909.42 v1(355,909.42)
  Sig2 w8: v1(355,909.42) 355,885.2 744.2,496 1279.03,496 1349.03,566 1376,566 v1(1400,590)
  Bottom Layer w6: v1(1400,590) 1400,587.57 1392.07,579.64 1392.07,528.15 1460.65,459.57 1460.65,391.68 HB.4@1461.46,390.88
USB2_P: HB.6 J3.66 rPI1.105 rxPI1.265 | length 1505.1
  Top Layer w6: J3.66@305.39,893.67 337.65,893.67 341.74,889.58 382.2,889.58 386.3,893.67 v1(390,893.67)
  Sig2 w8: v1(390,893.67) 390,870 750,510 1273.23,510 1343.23,580 1360,580 v1(1370,590)
  Bottom Layer w6: v1(1370,590) 1370,587.57 1377.93,579.64 1377.93,522.29 1446.51,453.71 1446.51,391.68 HB.6@1445.71,390.88
USB30_RX1_N: HB.27 J3.12 rPI1.128 rxPI1.211 | length 1634.1
  Top Layer w6: J3.12@305.39,1318.87 346.93,1318.87 348.02,1317.77 388.91,1317.77 v1(390,1318.87)
  Sig1 w8: v1(390,1318.87) 1264,444.87 1264,219.16 1270,213.16 v1(1270,210)
  Bottom Layer w6: v1(1270,210) 1271.24,211.24 1271.24,282.94 HB.27@1272.48,284.18
USB30_RX1_P: HB.29 J3.10 rPI1.130 rxPI1.209 | length 1678.7
  Top Layer w6: J3.10@305.39,1334.62 v1(355,1334.62)
  Sig1 w8: v1(355,1334.62) 355,1328.64 382.61,1301.03 388.04,1301.03 1250,439.07 v1(1250,180)
  Bottom Layer w6: v1(1250,180) 1250,222.11 1256.54,228.65 rPI1.130@1256.54,277.83
USB30_TX1_N: HB.39 J3.18 rPI1.140 rxPI1.217 | length 1567.6
  Top Layer w6: J3.18@305.39,1271.62 338.53,1271.62 339.62,1270.53 361.98,1270.53 363.07,1271.62 v1(390,1271.62)
  Sig1 w8: v1(390,1271.62) 390,1268.46 394.73,1263.73 394.73,1261.46 1170.14,486.05 1189.9,466.29 1194,462.19 1194,304.2 1170,280.2 v1(1170,210)
  Bottom Layer w6: v1(1170,210) 1170,213.7 1177.99,221.7 HB.39@1177.99,284.18
USB30_TX1_P: HB.41 J3.16 rPI1.142 rxPI1.215 | length 1614
  Top Layer w6: J3.16@305.39,1287.37 v1(355,1287.37)
  Sig1 w8: v1(355,1287.37) 355,1281.39 380.73,1255.66 1180,456.39 1180,310 1150,280 v1(1150,180)
  Bottom Layer w6: v1(1150,180) 1150,219.35 1162.06,231.41 rPI1.142@1162.06,277.83
USB31_D_N: HB.66 J3.48 rPI1.165 rxPI1.247 | length 1095.2
  Top Layer w6: J3.48@305.39,1035.4 337.65,1035.4 341.74,1031.31 382.2,1031.31 386.3,1035.4 v1(390,1035.4)
  Sig1 w8: v1(390,1035.4) 402.3,1047.7 442.3,1047.7 475.9,1014.1 480,1010 566,1010 960,616 v1(960,530)
  Bottom Layer w6: v1(960,530) 963.7,530 968.38,534.67 975.33,534.67 978.84,531.16 978.84,483.83 970.34,475.32 970.34,421.43 973.27,418.5 973.27,410.37 HB.66@973.27,390.88
USB31_D_P: HB.64 J3.46 rPI1.163 rxPI1.245 | length 1099.4
  Top Layer w6: J3.46@305.39,1051.15 v1(355,1051.15)
  Sig1 w8: v1(355,1051.15) 361.45,1057.6 392.4,1057.6 396.5,1061.7 448.1,1061.7 452.2,1057.6 485.8,1024 571.8,1024 974,621.8 974,569.16 980,563.16 v1(980,560)
  Bottom Layer w6: v1(980,560) 982.4,557.6 982.4,541.74 988.84,535.3 988.84,479.69 980.34,471.18 980.34,425.57 989.02,416.89 HB.64@989.02,390.88
USB31_RX_N: HB.58 J3.60 rPI1.157 rxPI1.259 | length 1067.8
  Top Layer w6: J3.60@305.39,940.92 338.53,940.92 339.62,939.82 361.98,939.82 363.07,940.92 v1(390,940.92)
  Sig2 w8: v1(390,940.92) 656.94,940.92 1037.86,560 v1(1040,560)
  Bottom Layer w6: rPI1.157@1036.07,399.09 1036.17,399.19 1036.17,427.7 1052.4,443.94 1052.4,471.5 1054.4,473.5 1054.4,533.1 1041.08,546.43 1041.08,558.92 v1(1040,560)
USB31_RX_P: HB.60 J3.58 rPI1.159 rxPI1.257 | length 1072
  Top Layer w6: J3.58@305.39,956.66 v1(355,956.66)
  Sig2 w8: v1(355,956.66) 355,950.68 382.61,923.07 649.55,923.07 1020,552.62 v1(1020,530)
  Bottom Layer w6: v1(1020,530) 1020.43,530.43 1035.07,530.43 1038.84,526.66 1038.84,479.94 1036.84,477.94 1036.84,450.39 1020.61,434.15 1020.61,390.97 HB.60@1020.51,390.88
USB31_TX_N: HB.70 J3.54 rPI1.169 rxPI1.253 | length 988.5
  Top Layer w6: J3.54@305.39,988.16 346.93,988.16 348.02,987.07 388.91,987.07 v1(390,988.16)
  Sig1 w8: v1(390,988.16) 398.16,980 529.8,980 921.34,588.46 921.34,570.53 930,561.87 v1(930,560)
  Bottom Layer w6: v1(930,560) 931.58,558.42 931.58,539.73 939.66,531.65 939.66,404.38 940.24,403.8 940.24,392.4 HB.70@941.77,390.88
USB31_TX_P: HB.72 J3.52 rPI1.171 rxPI1.251 | length 994.3
  Top Layer w6: J3.52@305.39,1003.91 v1(355,1003.91)
  Sig1 w8: v1(355,1003.91) 355,997.93 386.93,966 524,966 907.34,582.66 907.34,531.03 v1(906.31,530)
  Bottom Layer w6: v1(906.31,530) 907.89,531.58 923.43,531.58 928.13,526.87 928.13,404.38 927.55,403.8 927.55,392.4 HB.72@926.02,390.88
USB_OTG_D_N: H2.3 HB.33 L1.1 rPI1.134 rxPI1.103 | length 1922.8
  Top Layer w6: H2.3@1460.33,409.87 H2.3@1461.27,408.94 ; H2.3@1461.27,399.09 1461.27,412.87 1456.46,417.68 1456.46,459.23 1462.87,465.65 1462.87,499.64 1470,506.77 v1(1470,510)
  Sig2 w8: v1(340,580) 340.53,580 350.53,570 410,570 500,480 1280,480 1354,554 1435.8,554 1444,545.8 1467.76,522.03 1467.76,512.24 v1(1470,510) 1440,480 1350,480 1220,350 v1(1220,210)
  Bottom Layer w6: L1.1@293.62,569.53 325.82,569.53 336.3,580 v1(340,580) ; v1(1220,210) 1220,213.7 1225.05,218.75 rPI1.134@1225.05,277.83
USB_OTG_D_P: H2.5 HB.35 L1.2 rPI1.136 rxPI1.105 | length 1935.7
  Top Layer w6: v1(1440,510) 1440,506.77 1447.13,499.64 1447.13,463.22 1445.52,461.62 H2.5@1445.52,399.09
  Sig2 w8: v1(340,540) 350.1,550.1 410.1,550.1 490.1,470.1 494.2,466 1285.8,466 1359.8,540 1430,540 1441.8,528.2 1441.8,511.8 1422,492 1345.03,492 1200,346.97 v1(1200,180)
  Bottom Layer w6: L1.2@293.62,547.87 328.42,547.87 336.3,540 v1(340,540) ; v1(1200,180) 1200,220.73 1209.3,230.03 rPI1.136@1209.3,277.83
USB_OTG_ID: H2.1 HB.2 rPI1.101 rxPI1.101 | length 93.5
  Top Layer w6: H2.1@1477.02,399.09 1477.56,399.64 1477.56,440.8 v1(1478.11,441.34)
  Bottom Layer w6: HB.2@1477.2,390.88 1477.56,391.24 1477.56,440.8 v1(1478.11,441.34)
USBP_D_N: D1.6 PRG.A7 PRG.B7 | length 233.2
  Top Layer w6: PRG.A7@4.49,560.16 7.4,563.07 43.07,563.07 50,570 v1(50,600) 49.77,599.76 4.73,599.76 PRG.B7@4.49,599.53
  Bottom Layer w6: v1(50,600) 128.08,600 148.39,579.68 D1.6@149.48,579.68
USBP_D_P: D1.4 PRG.A6 PRG.B6 | length 262.6
  Top Layer w6: PRG.A6@4.49,579.84 4.33,580 -30,580 -40,570 -40,550 -30,540 4.49,540 4.72,540.24 49.77,540.24 v1(50,540)
  Bottom Layer w6: v1(50,540) 50.16,540.16 149.32,540.16 D1.4@149.48,540.32
VCC_3V3_S3: H1.84 HA.83 R2.2 R3.1 rPI1.84 rxPI1.84 U1.3 U1.4 | length 1841.9
  Top Layer w6.3: v1(831.54,1574.02) H1.84@831.54,1618.55
  Top Layer w10: v1(-37,960) -37,993 ; U1.3@-37,1016.5 -37,993 ; U1.4@-23.5,993 -37,993 ; R3.1@80,757 v1(80,783.44) R2.2@80,810
  Bottom Layer w6: v1(80,783.44) -37,900.44 v1(-37,960) -99.84,1022.84 -99.84,1200.16 160,1460 794.57,1460 831.54,1496.97 v1(831.54,1574.02)
  Bottom Layer w6.3: v1(831.54,1574.02) HA.83@831.54,1625.84
pads on no net: HA.S1 HA.S2 HA.S3 HA.S4 HB.S1 HB.S2 HB.S3 HB.S4 PRG. PRG.A8 PRG.B8 rPI1.Un1 rPI1.Un2 rPI1.Un3 rPI1.Un4 rxPI1. rxPI1.Un2 rxPI1.Un3 rxPI1.Un4

## Polygon pours and split planes (outlines as drawn)
GND on Sig2 "NONET_L01_P-001" (solid, remove dead copper, pour order 7): -110,1830 2130,1830 cw(c2130,1680) 2280,1680 2280,290 cw(c2130,290) 2130,140 -110,140 cw(c-110,290) -260,290 -260,1680 cw(c-110,1680)
5VDC_BUS on Sig2 "NONET_L01_P-001" (solid, pour order 4): 800.04,1800 784.29,1784.25 784.29,1695.75 800.04,1680 863.03,1680 863.03,1680.31 894.53,1711.81 894.53,1785.47 880,1800
GND on Bottom Layer "NONET_L01_P-001" (solid, remove dead copper, pour order 0): -110,1830 2130,1830 cw(c2130,1680) 2280,1680 2280,290 cw(c2130,290) 2130,140 -110,140 cw(c-110,290) -260,290 -260,1680 cw(c-110,1680)
GND on Sig1 "NONET_L01_P-001" (solid, remove dead copper, pour order 6): -110,1830 2130,1830 cw(c2130,1680) 2280,1680 2280,290 cw(c2130,290) 2130,140 -110,140 cw(c-110,290) -260,290 -260,1680 cw(c-110,1680)
GND on Top Layer "NONET_L01_P-001" (solid, remove dead copper, pour order 5): -110,1830 2130,1830 cw(c2130,1680) 2280,1680 2280,290 cw(c2130,290) 2130,140 -110,140 cw(c-110,290) -260,290 -260,1680 cw(c-110,1680)

## Keep-outs
Keep-Out Layer:
  the board outline again, w10

## Silkscreen, mask and mechanical layers (free items; w line width, h text height)
Top Overlay:
  drawing of 6 lines, arcs and shapes, not listed
  text "radxa/pi CM5 / INTERPOSER / Rev X2" at 2200,607.61 h45 r90

## Text inside footprints (layer, text, board x,y; h text height)
rPI1: Bottom Overlay "U-A" at 1593.47,1747.84 h41.34 r90; Bottom Overlay "U-B" at 1593.47,394.76 h41.34 r90
rxPI1: Top Overlay "U-A" at 1598.47,1628.84 h41.34 r90; Top Overlay "U-B" at 1598.47,275.76 h41.34 r90; Top Overlay "U-C" at 379.56,960.97 h41.34 r90